# Altium PCB PCB3.PcbDoc (part 2 of 2) (continued)
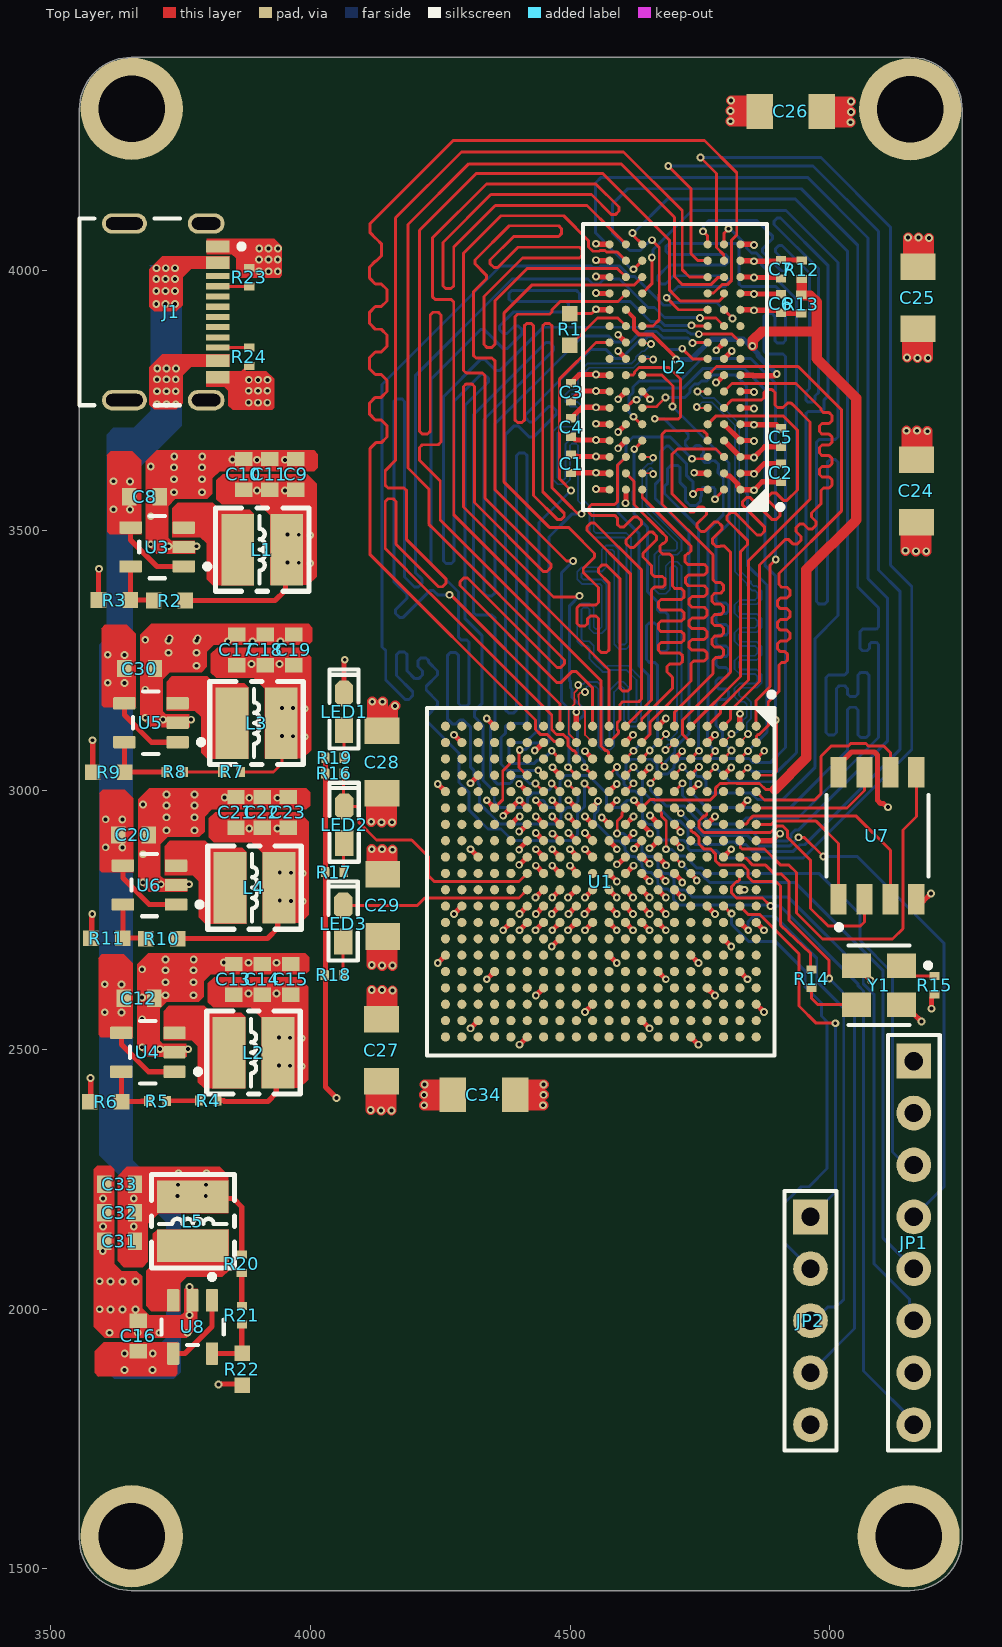
[diagram p0: Top Layer view]
## Nets (pads, with @x,y where several pads share a name; then routed paths per layer and width w, separated by ;. In a path a pad name is that pad's centre, name@x,y a point inside that pad or via, vN(x,y) a via of type N, cw(c..) or ccw(c..) an arc to the next point about the centre after c; other vN are vias at no path point) (continued)
QSPI_CLK: U1.A5 U7.6 | length 397.4
  Top Layer w5.68: U1.A5@4858.46,2996.97 4874.43,2981 4971,2981 4983,2993 4983,3065 5003,3085 5036.13,3085 5040.55,3089.41 5069.9,3089.41 5074.32,3085 5104,3085 5117,3072 U7.6@5117,3034.05
QSPI_CS: U1.A7 U7.1 | length 285.9
  Top Layer w5.68: U1.A7@4858.46,2933.98 4888.01,2933.98 4894.05,2940.02 4973.98,2940.02 5017,2897 U7.1@5017,2789.95
QSPI_D0: U1.B8 U7.5 | length 765.2
  Top Layer w5.68: U1.B8@4826.97,2902.48 4827.71,2901.73 4827.71,2890.01 4831.04,2886.68 4874.32,2886.68 4905.73,2855.27 4921.73,2855.27 4936,2841 4936,2763 4986,2713 5121,2713 5141,2733 5141,2923 5167,2949 U7.5@5167,3034.05
QSPI_D1: U1.D6 U7.2 | length 562.1
  Top Layer w5.68: U1.D6@4763.98,2965.47 4763.23,2964.73 4763.23,2953 4759.9,2949.67 4757.47,2949.67 4748.28,2940.48 4748.28,2927.47 4757.57,2918.18 4885.9,2918.18 4898.06,2930.34 4909.94,2930.34 4918.34,2921.94 4918.34,2909.66 4963,2865 4963,2772 4997,2738 5059,2738 5067,2746 U7.2@5067,2789.95
QSPI_D2: U1.B7 U7.3 | length 419.2
  Top Layer w5.68: U1.B7@4826.97,2933.98 4827.71,2934.72 4839.44,2934.72 4842.77,2938.05 4842.77,2940.48 4851.99,2949.7 5051.3,2949.7 5117,2884 U7.3@5117,2789.95
QSPI_D3: U1.A6 U7.7 | length 257.5
  Top Layer w5.68: U1.A6@4858.46,2965.47 5033.47,2965.47 5067,2999 U7.7@5067,3034.05
SD_CD: U1.B14
SD_CLK: U1.D14
SD_CMD: U1.C17
SD_D0: U1.E12
SD_D1: U1.A9
SD_D2: U1.F13
SD_D3: U1.B15
SRST: JP1.8 U1.B10 U1.L6 | length 1748.4
  Top Layer w5.68: U1.B10@4826.97,2839.49 4826.22,2838.74 4826.22,2827.02 4822.9,2823.69 4820.47,2823.69 4811.27,2814.49 4811.27,2801.49 4820.57,2792.19 4870.5,2792.19 v1(4885.72,2776.98)
  Top Layer w10: U1.L6@4546.01,2965.46 4545.19,2966.28 4545.19,2968.83 4554,2977.65 v1(4554,2979)
  Bottom Layer w5.68: v1(4554,2979) 4554,2960.28 4546.66,2952.94 4546.66,2939.29 4584.18,2901.78 4594.5,2901.78 4605.78,2890.5 4605.78,2883.94 4617.57,2872.15 4624.79,2872.15 4638.31,2858.63 4638.31,2852.41 4649.26,2841.46 4656.3,2841.46 4668.81,2828.95 4668.81,2819.91 4679.26,2809.46 4688.3,2809.46 4699.14,2798.62 4699.14,2789.56 4709.97,2778.72 v1@4885.72,2778.72 ; v1(4885.72,2776.98) 4904.02,2776.98 5054.91,2626.09 5054.91,2623.12 5065,2613.03 5065,1881.01 JP1.8@5173.19,1772.82
TCK: JP1.5 U1.F9 | length 1091.2
  Top Layer w5.68: U1.F9@4700.98,2870.98 v1(4715,2857)
  Bottom Layer w5.68: v1(4715,2857) 4731.66,2840.34 4749.94,2840.34 4760.96,2829.32 4761.68,2829.32 4768.66,2822.34 4932.66,2822.34 5103,2652 5103,2137 JP1.5@5162,2078
TDI: JP1.3 U1.G6 | length 1046.3
  Top Layer w5.68: U1.G6@4669.49,2965.47 4669.49,2962.63 4675.99,2956.13 4675.99,2949.67 4685.19,2940.48 4685.19,2886.1 v1(4685,2885.91)
  Bottom Layer w5.68: v1(4685,2885.91) 4685.24,2885.67 4696.05,2885.67 4708.89,2872.83 4721.17,2872.83 4743.98,2850.02 4753.95,2850.02 4764.97,2839 4980,2839 5058.11,2760.89 5058.11,2710.58 5121,2647.69 5121,2303 5146,2278 JP1.3@5162,2278
TDO: JP1.4 U1.F6 | length 1192
  Top Layer w5.68: U1.F6@4700.98,2965.47 4702.05,2965.47 4712.26,2955.26 v1(4713.32,2955.26) ; v1(4940,2909) 4940.15,2908.85 4951.15,2908.85 v1(4988,2872)
  Bottom Layer w5.68: v1(4713.32,2955.26) 4756.58,2912 4842,2912 4858,2896 4860.83,2896 4864.85,2891.98 4922.98,2891.98 v1(4940,2909) ; v1(4988,2872) 5053,2872 5220,2705 5220,2236 JP1.4@5162,2178
TMS: JP1.6 U1.J6 | length 1379.1
  Top Layer w5.68: v1(4590.12,2916.12) 4590.8,2916.8 4590.8,2940.48 4600,2949.68 4600,2956.13 4606.5,2962.62 U1.J6@4606.5,2965.47
  Bottom Layer w5.68: v1(4590.12,2916.12) 4603.26,2916.12 4616.3,2903.07 4635.33,2903.07 4638.66,2899.74 4638.66,2882.06 4648.38,2872.34 4658.94,2872.34 4669,2862.28 4669,2850.72 4680.38,2839.34 4689.94,2839.34 4700,2829.28 4700,2817.72 4710.06,2807.66 4721.6,2807.66 4735.6,2793.66 4920.34,2793.66 5067.44,2646.56 5067.44,2641.86 5064.59,2639.01 5064.59,2627.13 5085,2606.72 5085,2088 5154,2019 5154,1986 JP1.6@5162,1978
UART0_RX: JP2.3 U1.B13 | length 968.5
  Top Layer w10: U1.B13@4826.97,2745 4827.48,2745 4842.48,2730 v2(4843,2730)
  Bottom Layer w5.68: v2(4843,2730) 4843,2747 4853,2757 4894,2757 4975,2676 4975,2632 5027,2580 5027,2019 5012.36,2004.36 4996.01,2004.36 4969.66,1978 JP2.3@4963,1978
UART0_TX: JP2.4 U1.B9 | length 1147.3
  Top Layer w5.68: U1.B9@4826.97,2870.98 4829.27,2868.68 4838.57,2868.68 4851.96,2855.29 4876.71,2855.29 4894,2838 4907,2838 4922,2823 4922,2749 4999,2672 v2(4999,2637)
  Bottom Layer w5.68: JP2.4@4963,1878 5048,1963 5048,2588 v2(4999,2637)
UART1_RX: JP2.2 U1.C12 | length 875.6
  Top Layer w5.68: U1.C12@4795.47,2776.5 4795.99,2776.5 4810.48,2762 v2(4811,2762)
  Bottom Layer w5.68: v2(4811,2762) 4811,2741.72 4844.72,2708 4896,2708 4952,2652 4952,2622 4984,2590 4984,2565 4995,2554 4995,2271 4960,2236 4945,2236 4934.15,2225.15 4933.55,2225.15 4913,2204.6 4913,2128 JP2.2@4963,2078
UART1_TX: JP2.1 U1.B12 | length 729.3
  Top Layer w5.68: U1.B12@4826.97,2776.5 4842.77,2760.7 4864.97,2760.7 4941,2684.67 4941,2584 4974,2551 v2(5011,2551)
  Bottom Layer w5.68: JP2.1@4963,2178 5011,2226 v2(5011,2551)
USB_RST: U1.D16
VCCAUX: C21.1 C22.1 C23.1 C29.1 L4.2 R10.2 U1.F8 U1.F11 U1.G8 U1.G9 U1.H8 U1.J9 U1.J11 U1.K8 U1.L11 U1.M8 U1.N9 U1.N11 U1.P10 U1.R9 | length 713
  Top Layer w10: R10.2@3744.36,2714 3917.18,2714 3937.14,2733.96 3937.14,2809.72 L4.2@3939.43,2812 ; v1(4402,2856) 4402.54,2856 U1.R9@4417.52,2870.98 ; v1(4434.09,2854.42) U1.P10@4449.02,2839.49 ; v1(4465.58,2793.06) U1.N11@4480.51,2807.99 ; v1(4465.58,2885.91) U1.N9@4480.51,2870.98 ; v1(4497.08,2917.41) U1.M8@4512.01,2902.48 ; v1(4528.58,2793.06) U1.L11@4543.5,2807.99 ; U1.K8@4575,2902.48 4589.04,2888.44 4589.04,2886.96 v1(4590,2886) ; v1(4590,2857) 4590.96,2857.96 4593.47,2857.96 U1.J9@4606.5,2870.98 ; U1.J11@4606.5,2807.99 v1(4621.42,2793.06) ; v1(4623,2887) 4623,2887.49 U1.H8@4637.99,2902.48 ; v1(4653,2888) 4653.96,2888.96 4655.96,2888.96 U1.G8@4669.49,2902.48 ; U1.G9@4669.49,2870.98 4685,2855.47 v1(4685,2855) ; U1.F11@4700.98,2807.99 v1(4715.91,2793.06) ; U1.F8@4700.98,2902.48 4700.98,2902.28 4713,2890.26 v1(4713,2889)
  Top Layer w20: C29.1@4118,2845.59 v1(4118,2886) ; C29.1@4138,2831 v1(4138,2886) ; C29.1@4158,2847 v1(4158,2885)
  other v1: 3984.65,2785.67 3940.95,2787.33 3962.65,2786.67 3984.65,2839.67 3940.95,2841.33 3962.65,2840.67 3882.18,2925.94 3936.18,2925.94
VCCINT: C13.1 C14.1 C15.1 C27.1 L2.2 R4.2 U1.G11 U1.G13 U1.H10 U1.H12 U1.J13 U1.K12 U1.L13 U1.M12 U1.N13 U1.P12 U1.R13 | length 565.2
  Top Layer w10: R4.2@3820.71,2402 3833.59,2402 ; 3833.59,2400.4 3918.18,2400.4 3934.14,2416.36 3934.14,2490.87 L2.2@3937.67,2494.4 ; v1(4402.59,2730.07) U1.R13@4417.52,2745 ; v1(4434.09,2761.57) U1.P12@4449.02,2776.5 ; v1(4465.58,2730.07) U1.N13@4480.51,2745 ; v1(4497.08,2761.57) U1.M12@4512.01,2776.5 ; v1(4528.58,2730.07) U1.L13@4543.5,2745 ; U1.K12@4575,2776.5 v1(4589.93,2761.57) ; U1.J13@4606.5,2745 v1(4621.42,2730.07) ; U1.H12@4637.99,2776.5 v1(4652.92,2761.57) ; U1.H10@4637.99,2839.49 v1(4652.92,2824.56) ; U1.G13@4669.49,2745 v1(4684.42,2730.07) ; U1.G11@4669.49,2807.99 v1(4684.42,2793.06)
  Top Layer w20: C27.1@4118,2574.59 v1(4118,2615) ; C27.1@4138,2560 v1(4138,2615) ; C27.1@4158,2576 v1(4158,2614)
  other v1: 3982.9,2468.07 3960.9,2469.07 3939.2,2469.74 3982.9,2522.07 3960.9,2523.07 3939.2,2523.74 3880.43,2608.35 3934.43,2608.35
VCCPINT: C17.1 C18.1 C19.1 C28.1 L3.2 R7.2 U1.G7 U1.J7 U1.L7 U1.N7 U1.P8 U1.R7 | length 402.2
  Top Layer w5.68: R7.2@3865.71,3035 3929,3035 3945.02,3051.02 v1(3945.02,3104.33)
  Top Layer w10: v1(4402,2920) 4402.96,2920.96 4404.5,2920.96 U1.R7@4417.52,2933.98 ; v1(4434.09,2917.41) U1.P8@4449.02,2902.48 ; v1(4465.58,2948.9) U1.N7@4480.51,2933.98 ; v1(4528.58,2948.9) U1.L7@4543.5,2933.98 ; U1.J7@4607.32,2933.98 v1(4622.24,2948.9) ; v1(4654,2951) 4670.31,2934.69 U1.G7@4670.31,2933.98
  Top Layer w20: v1(4117,2939) C28.1@4117,2977 ; v1(4137,2938) C28.1@4137,2993 ; v1(4157,2938) C28.1@4157,2978.41
  other v1: 3988.72,3102.67 3966.72,3103.67 3988.72,3156.67 3945.02,3158.33 3966.72,3157.67 3886.24,3242.94 3940.24,3242.94
VMEM: C1.1 C2.1 C3.1 C4.1 C5.1 C6.1 C7.1 C9.1 C10.1 C11.1 C24.1 C25.1 C26.1 L1.2 R2.2 R12.2 U1.A3 U1.D2 U1.E5 U1.G1 U1.H4 U1.L3 U1.P2 U1.R5 U1.U1 U1.V4 U2.A1 U2.A8 U2.B2 U2.C1 U2.C9 U2.D2 U2.D9 U2.E9 U2.F1 U2.G7 U2.H2 U2.H9 U2.K2 U2.K8 U2.N1 U2.N9 U2.R1 U2.R9 | length 1837.2
  Top Layer w5.68: U1.A3@4858.46,3059.49 U1.A3@4858.46,3059.96 v1(4874,3075.5)
  Top Layer w10: R2.2@3759.18,3365 3932,3365 3951.96,3384.96 3951.96,3460.72 L1.2@3954.24,3463 ; v1(4308,3013) 4323.03,3028.03 U1.V4@4323.03,3028.46 ; v1(4339.6,3137.88) U1.U1@4354.53,3122.95 ; v1(4402,3012) 4402.27,3012 U1.R5@4417.3,2996.97 ; v1(4432,3076) 4432.96,3076.96 4434.52,3076.96 U1.P2@4449.02,3091.46 ; C1.1@4502,3646 4504.87,3643.13 4512.12,3643.13 4512.7,3642.54 v1(4550,3642.54) 4551.35,3642.54 4552.4,3641.5 U2.C9@4576.02,3641.5 ; C4.1@4502,3680.57 4503.97,3680.57 4510.5,3674.04 v1(4550,3674.04) 4551.35,3674.04 4552.4,3672.99 U2.D9@4576.02,3672.99 ; C3.1@4502,3783.72 4503.97,3783.72 4506.84,3786.59 4506.84,3788.56 4518.31,3800.02 v1(4550,3800.02) 4551.35,3800.02 4552.4,3798.98 U2.H9@4576.02,3798.98 ; v1(4528.58,3074.89) U1.L3@4543.5,3059.96 ; v1(4550,3705.54) 4551.35,3705.54 4552.4,3704.49 U2.E9@4576.02,3704.49 ; v1(4550,3957.5) 4551.35,3957.5 4552.4,3956.46 U2.N9@4576.02,3956.46 ; v1(4550,4020.5) 4551.35,4020.5 4552.4,4019.45 U2.R9@4576.02,4019.45 ; v1(4592.59,3876.9) U2.K8@4607.52,3861.97 ; v1(4606.47,3552.48) 4606.47,3553.83 4607.52,3554.88 U2.A8@4607.52,3578.5 ; U1.H4@4637.99,3028.46 v1(4652.92,3043.39) ; U2.G7@4639.02,3767.48 v1(4653.94,3752.55) ; U1.G1@4669.49,3122.95 v1(4684.42,3137.88) ; U1.E5@4732.48,2996.97 v1(4747.41,3011.9) ; U1.D2@4763.98,3091.46 v1(4778.9,3106.38) ; v1(4781,3785) 4781.96,3785.96 4783.48,3785.96 U2.H2@4796.5,3798.98 ; v1(4781.57,3847.04) U2.K2@4796.5,3861.97 ; U2.B2@4796.5,3610 4798.05,3610 4802.99,3605.06 4807.49,3605.06 4823.05,3589.5 4823.05,3585 4827.99,3580.06 U2.A1@4827.99,3578.5 4851.62,3578.5 4852.66,3577.46 v1(4854.02,3577.46) 4870.13,3593.57 C2.1@4906,3593.57 ; U2.D2@4796.5,3672.99 U2.C1@4827.99,3641.5 4851.62,3641.5 4852.66,3640.45 v1(4854.02,3640.45) 4874.85,3661.28 C5.1@4906,3661.28 ; U2.F1@4827.99,3735.98 4851.62,3735.98 4852.66,3734.94 v1(4854.02,3734.94) ; U2.N1@4827.99,3956.46 4851.62,3956.46 4852.66,3955.41 v1(4854.02,3955.41) 4905.31,3955.41 C6.1@4906,3954.72 ; U2.R1@4827.99,4019.45 4851.62,4019.45 4852.66,4018.4 v1(4854.02,4018.4) 4903.69,4018.4 C7.1@4906,4020.72 4945,4020.72 R12.2@4946,4019.71
  Top Layer w20: v1(4809,4288) C26.1@4849.41,4288 ; v1(4809,4308) C26.1@4864,4308 ; v1(4810,4328) C26.1@4848,4328 ; C24.1@5148,3651.59 v1(5148,3692) ; v1(5151,4064) 5151,4023.59 5166.59,4008 C25.1@5170,4008 ; C24.1@5168,3637 v1(5168,3692) ; C25.1@5171,4009 v1(5171,4064) ; C24.1@5188,3653 v1(5188,3691) ; C25.1@5191,4025 v1(5191,4063)
  other v1: 3999.47,3436.67 3955.77,3438.33 3977.47,3437.67 3999.47,3490.67 3955.77,3492.33 3977.47,3491.67 3897,3576.94 3951,3576.94
VREFDDR: R12.1 R13.2 U1.H6 U1.P6 U2.H1 U2.M8 | length 2330.4
  Top Layer w5.68: U1.H6@4637.99,2965.47 4654.52,2982 4662.26,2982 4662.99,2981.27 4770.48,2981.27 4779.67,2990.47 4779.72,2990.52 4779.72,3003.42 4788.97,3012.67 4801.97,3012.67 4802.36,3013.05 4820.08,3013.05 4820.47,3012.67 4864.97,3012.67 4876.63,3001 4894,3001
  Top Layer w7.5: U2.M8@4607.52,3924.96 4623.39,3909.09 4623.39,3886.99 4632.79,3877.59 4658.97,3877.59 4704,3832.57 v1(4704,3829)
  Top Layer w10: v1(4434.09,2980.4) U1.P6@4449.02,2965.47 ; v1(4623.06,2980.4) U1.H6@4637.99,2965.47 ; U2.H1@4827.99,3798.98 4851.62,3798.98 4852.66,3797.93 4893.58,3797.93 4896.65,3801 v1(4898,3801) ; v1(4851,3855) v1@4851.91,3855.91 ; R13.2@4946,3954.71 R13.2@4945,3953.71 R13.2@4946.33,3952.39
  Top Layer w20: v1@4851.91,3855.91 4851.91,3865.91 4869,3883 4969.14,3883 4975,3888.86 ; 4894,3001 4955,3062 4955,3424 5051,3520 5051,3755 4975,3831 4975,3888.86 ; R13.2@4946,3954.71 R12.1@4946,3984.28 ; R13.2@4946.33,3952.39 4962.61,3952.39 4975,3940 4975,3888.86
  Bottom Layer w5.68: v1(4434.09,2980.4) 4447.92,2980.4 4451.24,2977.07 4451.24,2974.46 4459.64,2966.06 4471.52,2966.06 4480.79,2975.33 4480.79,3017.58 4491.22,3028 4536,3028 4570,2994 4570,2973.33 4577.27,2966.06 4595.87,2966.06 4610.21,2980.4 v1(4623.06,2980.4)
  Bottom Layer w10: v1(4704,3829) 4733.13,3829 4772.13,3868 4834.08,3868 4862,3840.08 4862,3837 v1(4898,3801)
pads on no net: J1.A6 J1.A7 J1.A8 J1.B6 J1.B7 J1.B8 JP1.7 U1.A10 U1.A11 U1.A12 U1.A14 U1.A15 U1.A16 U1.A17 U1.A19 U1.A20 U1.B5 U1.B17 U1.B18 U1.B19 U1.B20 U1.C5 U1.C6 U1.C7 U1.C8 U1.C13 U1.C15 U1.C16 U1.C18 U1.C19 U1.C20 U1.D5 U1.D8 U1.D9 U1.D10 U1.D11 U1.D13 U1.D15 U1.D18 U1.D19 U1.D20 U1.E6 U1.E8 U1.E9 U1.E11 U1.E13 U1.E14 U1.E16 U1.E17 U1.E18 U1.E19 U1.F12 U1.F14 U1.F15 U1.F16 U1.F17 U1.F18 U1.F19 U1.F20 U1.G5 U1.G14 U1.G15 U1.G17 U1.G18 U1.G19 U1.G20 U1.H5 U1.H14 U1.H15 U1.H16 U1.H17 U1.H18 U1.H20 U1.J14 U1.J15 U1.J16 U1.J17 U1.J18 U1.J19 U1.J20 U1.K9 U1.K14 U1.K16 U1.K17 U1.K18 U1.K19 U1.K20 U1.L10 U1.L14 U1.L15 U1.L16 U1.L17 U1.L19 U1.L20 U1.M14 U1.M15 U1.M16 U1.M17 U1.M18 U1.M19 U1.M20 U1.N15 U1.N16 U1.N17 U1.N18 U1.N19 U1.N20 U1.P1 U1.P3 U1.P14 U1.P15 U1.P16 U1.P18 U1.P19 U1.P20 U1.R1 U1.R2 U1.R3 U1.R14 U1.R15 U1.R16 U1.R17 U1.R18 U1.R19 U1.T1 U1.T2 U1.T4 U1.T5 U1.T8 U1.T9 U1.T10 U1.T11 U1.T12 U1.T14 U1.T15 U1.T16 U1.T17 U1.T18 U1.T19 U1.T20 U1.U2 U1.U3 U1.U4 U1.U5 U1.U7 U1.U8 U1.U9 U1.U10 U1.U11 U1.U12 U1.U13 U1.U14 U1.U15 U1.U17 U1.U18 U1.U19 U1.U20 U1.V1 U1.V2 U1.V3 U1.V5 U1.V6 U1.V7 U1.V8 U1.V10 U1.V11 U1.V12 U1.V13 U1.V14 U1.V15 U1.V16 U1.V17 U1.V18 U1.V20 U1.W1 U1.W3 U1.W4 U1.W5 U1.W6 U1.W7 U1.W8 U1.W9 U1.W10 U1.W11 U1.W13 U1.W14 U1.W15 U1.W16 U1.W17 U1.W18 U1.W19 U1.W20 U1.Y1 U1.Y2 U1.Y3 U1.Y4 U1.Y6 U1.Y7 U1.Y8 U1.Y9 U1.Y10 U1.Y11 U1.Y12 U1.Y13 U1.Y14 U1.Y16 U1.Y17 U1.Y18 U1.Y19 U1.Y20 U2.J1 U2.J9 U2.L1 U2.L9 U2.M7
copper on no net: | length 3.3
  Top Layer w39.37: 17219.96,5754.73 17220.35,5754.34 ; 17654.83,3130.74 17655.22,3130.34 ; 17663.68,2381.03 17664.08,2380.63 ; 17667.85,2946.43 17668.24,2946.04 ; 17723.57,5692.26 17723.97,5691.86 ; 17724.62,2881.35 17725.01,2880.96

## Polygon pours and split planes (outlines as drawn)
GND on Int1 (GND) (split plane): 5162.84,4390.61 5170.61,4389.46 5178.22,4387.55 5185.61,4384.91 5192.71,4381.55 5199.44,4377.51 5205.75,4372.84 5211.57,4367.57 5216.84,4361.75 5221.51,4355.44 5225.55,4348.71 5228.91,4341.61 5231.55,4334.22 5233.46,4326.61 5234.61,4318.84 5234.97,4311.63 5234.9,4311 5234.9,1558.24 5234.97,1557.61 5234.61,1550.4 5233.46,1542.64 5231.55,1535.02 5228.91,1527.63 5225.55,1520.53 5221.51,1513.8 5216.84,1507.49 5211.57,1501.68 5205.75,1496.41 5199.44,1491.73 5192.71,1487.69 5185.61,1484.34 5178.22,1481.69 5170.61,1479.78 5162.84,1478.63 5155.63,1478.28 5155,1478.34 3655,1478.34 3654.37,1478.28 3647.16,1478.63 3639.39,1479.78 3631.78,1481.69 3624.39,1484.34 3617.29,1487.69 3610.56,1491.73 3604.25,1496.41 3598.43,1501.68 3593.16,1507.49 3588.49,1513.8 3584.45,1520.53 3581.09,1527.63 3578.45,1535.02 3576.54,1542.64 3575.39,1550.4 3575.03,1557.61 3575.1,1558.24 3575.1,4311 3575.03,4311.63 3575.39,4318.84 3576.54,4326.61 3578.45,4334.22 3581.09,4341.61 3584.45,4348.71 3588.49,4355.44 3593.16,4361.75 3598.43,4367.57 3604.25,4372.84 3610.56,4377.51 3617.29,4381.55 3624.39,4384.91 3631.78,4387.55 3639.39,4389.46 3647.16,4390.61 3654.37,4390.97 3655,4390.9 5155,4390.9 5155.63,4390.97
3V3 on Int1 (GND) (split plane): 5143.9,3056.89 5143.9,2959.11 5118.89,2934.1 4766.11,2934.1 4734.6,2965.6 4732.95,2966.71 4731,2967.1 4392.11,2967.1 4385.1,2974.11 4385.1,2991.89 4387.11,2993.9 4774,2993.9 4775.95,2994.29 4777.6,2995.4 4801.11,3018.9 4888,3018.9 4889.95,3019.29 4891.6,3020.4 4955.11,3083.9 5116.89,3083.9
3V3 on Int2 (PWR) (split plane): 3655,4390.9 4303.69,4390.9 3909.4,3996.6 3908.29,3994.95 3907.9,3993 3907.9,3404.07 3906.95,3404.71 3905,3405.1 3903.05,3404.71 3901.4,3403.6 3814.4,3316.6 3813.29,3314.95 3812.9,3313 3812.9,3101 3812.9,2765 3812.9,2414 3813.29,2412.05 3814.4,2410.4 3823.4,2401.4 3825.05,2400.29 3827,2399.9 4004,2399.9 4005.95,2400.29 4007.6,2401.4 4220.6,2614.4 4221.71,2616.05 4222.1,2618 4222.1,2678.89 4236.69,2693.48 4705.58,2693.48 4707.53,2693.87 4709.18,2694.97 4739.6,2725.4 4740.71,2727.05 4741.1,2729 4741.1,2773.89 4775.6,2808.4 4776.71,2810.05 4777.1,2812 4777.1,2899 4776.71,2900.95 4775.6,2902.6 4739.71,2938.5 4748.6,2947.4 4749.71,2949.05 4750.1,2951 4750.1,2963.9 4786,2963.9 4787.95,2964.29 4789.6,2965.4 4818.11,2993.9 5011,2993.9 5012.95,2994.29 5014.6,2995.4 5234.9,3215.69 5234.9,1558.24 5234.97,1557.61 5234.61,1550.4 5233.46,1542.64 5231.55,1535.02 5228.91,1527.63 5225.55,1520.53 5221.51,1513.8 5216.84,1507.49 5211.57,1501.68 5205.75,1496.41 5199.44,1491.73 5192.71,1487.69 5185.61,1484.34 5178.22,1481.69 5170.61,1479.78 5162.84,1478.63 5155.63,1478.28 5155,1478.34 3655,1478.34 3654.37,1478.28 3647.16,1478.63 3639.39,1479.78 3631.78,1481.69 3624.39,1484.34 3617.29,1487.69 3610.56,1491.73 3604.25,1496.41 3598.43,1501.68 3593.16,1507.49 3588.49,1513.8 3584.45,1520.53 3581.09,1527.63 3578.45,1535.02 3576.54,1542.64 3575.39,1550.4 3575.03,1557.61 3575.1,1558.24 3575.1,4311 3575.03,4311.63 3575.39,4318.84 3576.54,4326.61 3578.45,4334.22 3581.09,4341.61 3584.45,4348.71 3588.49,4355.44 3593.16,4361.75 3598.43,4367.57 3604.25,4372.84 3610.56,4377.51 3617.29,4381.55 3624.39,4384.91 3631.78,4387.55 3639.39,4389.46 3647.16,4390.61 3654.37,4390.97
VCCINT on Int2 (PWR) (split plane): 4672.9,2825.89 4672.9,2814 4673.29,2812.05 4674.4,2810.4 4712.4,2772.4 4714.05,2771.29 4716,2770.9 4730.9,2770.9 4730.9,2731.11 4703.46,2703.67 4234.58,2703.67 4232.63,2703.29 4230.97,2702.18 4213.4,2684.6 4212.29,2682.95 4211.9,2681 4211.9,2620.11 4001.89,2410.1 3829.11,2410.1 3823.1,2416.11 3823.1,2752.69 3859.4,2716.4 3861.05,2715.29 3863,2714.9 4050,2714.9 4051.95,2715.29 4053.6,2716.4 4110.11,2772.9 4625,2772.9 4626.95,2773.29 4628.6,2774.4 4638.6,2784.4 4639.71,2786.05 4640.1,2788 4640.1,2831.89 4649.11,2840.9 4657.89,2840.9
VCCPINT on Int2 (PWR) (split plane): 3900.29,3386.05 3901.4,3384.4 4290.4,2995.4 4292.05,2994.29 4294,2993.9 4713.89,2993.9 4739.9,2967.89 4739.9,2953.11 4726.89,2940.1 4639.84,2940.1 4637.89,2939.71 4636.23,2938.6 4630.72,2933.1 4613.76,2933.1 4604.26,2942.6 4602.6,2943.71 4600.65,2944.1 4580.02,2944.1 4578.07,2943.71 4576.42,2942.6 4556.91,2923.1 4530.1,2923.1 4515.59,2937.6 4513.94,2938.71 4511.98,2939.1 4479,2939.1 4477.05,2938.71 4475.4,2937.6 4444.89,2907.1 4389.11,2907.1 4379.6,2916.6 4377.95,2917.71 4376,2918.1 4136.11,2918.1 4009.6,3044.6 4007.95,3045.71 4006,3046.1 3880.11,3046.1 3823.1,3103.11 3823.1,3310.89 3899.95,3387.74
VCCAUX on Int2 (PWR) (split plane): 3874.4,3037.4 3876.05,3036.29 3878,3035.9 4003.89,3035.9 4130.4,2909.4 4132.05,2908.29 4134,2907.9 4373.89,2907.9 4383.4,2898.4 4385.05,2897.29 4387,2896.9 4447,2896.9 4448.95,2897.29 4450.6,2898.4 4481.11,2928.9 4509.87,2928.9 4524.38,2914.4 4526.03,2913.29 4527.98,2912.9 4559.02,2912.9 4560.97,2913.29 4562.63,2914.4 4582.14,2933.9 4598.54,2933.9 4608.05,2924.4 4609.7,2923.29 4611.65,2922.9 4632.84,2922.9 4634.79,2923.29 4636.44,2924.4 4641.95,2929.9 4733.89,2929.9 4766.9,2896.89 4766.9,2814.11 4733.89,2781.1 4718.11,2781.1 4683.1,2816.11 4683.1,2828 4682.71,2829.95 4681.6,2831.6 4663.6,2849.6 4661.95,2850.71 4660,2851.1 4647,2851.1 4645.05,2850.71 4643.4,2849.6 4631.4,2837.6 4630.29,2835.95 4629.9,2834 4629.9,2790.11 4622.89,2783.1 4108,2783.1 4106.05,2782.71 4104.4,2781.6 4047.89,2725.1 3865.11,2725.1 3823.1,2767.11 3823.1,3088.69
3V3 on Int2 (PWR) (split plane): 5178.22,4387.55 5185.61,4384.91 5192.71,4381.55 5199.44,4377.51 5205.75,4372.84 5211.57,4367.57 5216.84,4361.75 5221.51,4355.44 5225.55,4348.71 5228.91,4341.61 5231.55,4334.22 5231.74,4333.47 5177.47,4387.74
VMEM on Int2 (PWR) (split plane): 5160.04,4390.75 5234.75,4316.04 5234.97,4311.63 5234.9,4311 5234.9,3230.11 5008.89,3004.1 4816,3004.1 4814.05,3003.71 4812.4,3002.6 4783.89,2974.1 4748.11,2974.1 4719.6,3002.6 4717.95,3003.71 4716,3004.1 4296.11,3004.1 3910.1,3390.11 3910.1,3395.93 3911.05,3395.29 3913,3394.9 3914.95,3395.29 3916.6,3396.4 3917.71,3398.05 3918.1,3400 3918.1,3990.89 4318.11,4390.9 5155,4390.9 5155.63,4390.97

## Other copper
Top Layer:
  region net GND: 3800,4061.98 3929.84,4061.98 3944.84,4046.98 3944.84,3990.98 3940.84,3986.98 3864.84,3986.98 3856.84,3994.98 3856.84,4023.98 3848.84,4031.98 3800,4031.98
  region net GND: 3799,3807 3915,3807 3930,3792 3930,3736 3926,3732 3850,3732 3842,3740 3842,3769 3834,3777 3799,3777
  region net 5V: 3844,4003.98 3770,4003.98 3754,3987.98 3754,3933.98 3742,3921.98 3699,3921.98 3690,3930.98 3690,4002.98 3715,4027.98 3844,4027.98
  region net 5V: 3844,3815 3770,3815 3754,3799 3754,3745 3742,3733 3699,3733 3690,3742 3690,3814 3715,3839 3844,3839
  region net GND: 3781.6,2040.43 3781.6,1965.43 3761.6,1945.43 3603.6,1945.43 3582.6,1966.43 3582.6,2269.43 3589.6,2276.43 3615.6,2276.43 3622.6,2269.43 3622.6,2087.43 3636.6,2073.43 3665.6,2073.43 3675.6,2063.43 3675.6,2002.43 3689.6,1988.43 3750.6,1988.43 3756.6,1994.43 3756.6,2039.43
  region net NetL5_1: 3749.6,1996.43 3749.6,2050.43 3761.6,2062.43 3830.6,2062.43 3842.6,2074.43 3842.6,2153.43 3704.6,2153.43 3696.6,2145.43 3696.6,2087.43 3683.6,2074.43 3683.6,2006.43 3693.6,1996.43
  region net 3V3: 3640.25,2081.43 3676.6,2081.43 3686.6,2091.43 3686.6,2164.43 3707.6,2185.43 3841.6,2185.43 3841.6,2258.43 3825.6,2274.43 3646.6,2274.43 3628.6,2256.43 3628.6,2093.8
  region net 5V: 3743.6,1937.43 3742.6,1936.43 3601.6,1936.43 3584.6,1919.43 3584.6,1877.43 3591.6,1870.43 3592.6,1871.43 3739.6,1871.43 3743.6,1875.43
  region net GND: 3761.43,2486.4 3686.43,2486.4 3666.43,2506.4 3666.43,2664.4 3687.43,2685.4 3990.43,2685.4 3997.43,2678.4 3997.43,2652.4 3990.43,2645.4 3808.43,2645.4 3794.43,2631.4 3794.43,2602.4 3784.43,2592.4 3723.43,2592.4 3709.43,2578.4 3709.43,2517.4 3715.43,2511.4 3760.43,2511.4
  region net NetL2_1: 3717.43,2518.4 3771.43,2518.4 3783.43,2506.4 3783.43,2437.4 3795.43,2425.4 3874.43,2425.4 3874.43,2563.4 3866.43,2571.4 3808.43,2571.4 3795.43,2584.4 3727.43,2584.4 3717.43,2574.4
  region net VCCINT: 3802.43,2627.75 3802.43,2591.4 3812.43,2581.4 3885.43,2581.4 3906.43,2560.4 3906.43,2426.4 3979.43,2426.4 3995.43,2442.4 3995.43,2621.4 3977.43,2639.4 3814.8,2639.4
  region net 5V: 3658.43,2524.4 3657.43,2525.4 3657.43,2666.4 3640.43,2683.4 3598.43,2683.4 3591.43,2676.4 3592.43,2675.4 3592.43,2528.4 3596.43,2524.4
  region net 5V: 3664.24,3159 3663.24,3160 3663.24,3301 3646.24,3318 3604.24,3318 3597.24,3311 3598.24,3310 3598.24,3163 3602.24,3159
  region net GND: 3767.24,3121 3692.24,3121 3672.24,3141 3672.24,3299 3693.24,3320 3996.24,3320 4003.24,3313 4003.24,3287 3996.24,3280 3814.24,3280 3800.24,3266 3800.24,3237 3790.25,3227 3729.24,3227 3715.24,3213 3715.24,3152 3721.24,3146 3766.24,3146
  region net VCCPINT: 3808.24,3262.35 3808.24,3226 3818.24,3216 3891.24,3216 3912.24,3195 3912.24,3061 3985.24,3061 4001.24,3077 4001.24,3256 3983.24,3274 3820.62,3274
  region net NetL3_1: 3723.24,3153 3777.24,3153 3789.24,3141 3789.24,3072 3801.24,3060 3880.24,3060 3880.24,3198 3872.24,3206 3814.24,3206 3801.24,3219 3733.24,3219 3723.24,3209
  region net NetL4_1: 3719.18,2836 3773.18,2836 3785.18,2824 3785.18,2755 3797.18,2743 3876.18,2743 3876.18,2881 3868.18,2889 3810.18,2889 3797.18,2902 3729.18,2902 3719.18,2892
  region net VCCAUX: 3804.18,2945.35 3804.18,2909 3814.18,2899 3887.18,2899 3908.18,2878 3908.18,2744 3981.18,2744 3997.18,2760 3997.18,2939 3979.18,2957 3816.56,2957
  region net GND: 3763.18,2804 3688.18,2804 3668.18,2824 3668.18,2982 3689.18,3003 3992.18,3003 3999.18,2996 3999.18,2970 3992.18,2963 3810.18,2963 3796.18,2949 3796.18,2920 3786.18,2910 3725.18,2910 3711.18,2896 3711.18,2835 3717.18,2829 3762.18,2829
  region net 5V: 3660.18,2842 3659.18,2843 3659.18,2984 3642.18,3001 3600.18,3001 3593.18,2994 3594.18,2993 3594.18,2846 3598.18,2842
  region net 5V: 3675,3493 3674,3494 3674,3635 3657,3652 3615,3652 3608,3645 3609,3644 3609,3497 3613,3493
  region net GND: 3778,3455 3703,3455 3683,3475 3683,3633 3704,3654 4007,3654 4014,3647 4014,3621 4007,3614 3825,3614 3811,3600 3811,3571 3801,3561 3740,3561 3726,3547 3726,3486 3732,3480 3777,3480
  region net NetL1_1: 3734,3487 3788,3487 3800,3475 3800,3406 3812,3394 3891,3394 3891,3532 3883,3540 3825,3540 3812,3553 3744,3553 3734,3543
  region net VMEM: 3819,3596.35 3819,3560 3829,3550 3902,3550 3923,3529 3923,3395 3996,3395 4012,3411 4012,3590 3994,3608 3831.38,3608
Bottom Layer:
  region net 5V: 3690,4011 3692,4009 3692,3730 3660,3698 3620,3698 3608,3684 3608,3678 3608,3295 3593,3280 3593,2297 3722,2168 3722,1945 3709,1932 3631,1932 3617,1918 3617,1871 3622,1866 3737,1866 3750,1879 3750,2195 3658,2287 3658,3608 3752,3702 3752,4011
Int1 (GND) (plane layer: these items are gaps in the copper):
  lines w10: 4380,2972 4390,2962 4731,2962 4764,2929 5121,2929 5149,2957 5149,3059 5119,3089 4953,3089 4888,3024 4799,3024 4774,2999 4385,2999 4380,2994 4380,2974 4380,2972
Int2 (PWR) (plane layer: these items are gaps in the copper):
  lines w10: 3913,3400 3913,3993 4333,4413 5145,4413 5252,4306 5252,3460 5252,3240 5011,2999 4816,2999 4786,2969 4746,2969 4716,2999 4294,2999 3905,3388 3905,3400 3818,3313 3818,3101 ; 4745,2970 4745,2951 4729,2935 ; 3818,2765 3818,2414 3827,2405 4004,2405 4217,2618 4217,2681 4234.58,2698.58 4705.58,2698.58 4736,2729 4736,2776 ; 3818,2765 3818,3101 ; 3818,2765 3863,2720 4050,2720 4108,2778 4625,2778 4635,2788 4635,2834 4647,2846 4660,2846 4678,2828 4678,2814 4716,2776 4736,2776 ; 3818,3101 3878,3041 4006,3041 4134,2913 4376,2913 4387,2902 4447,2902 4479,2934 4511.98,2934 4527.98,2918 4559.02,2918 4580.02,2939 4600.65,2939 4611.65,2928 4632.84,2928 4639.84,2935 4729,2935 ; 4729,2935 4736,2935 4772,2899 4772,2812 4736,2776

## Silkscreen, mask and mechanical layers (free items; w line width, h text height)
Mechanical 1:
  the board outline again, w10